# EAGLE board Mk4 Final a Panel score 2x5 (EAGLE 9.0.1), part 14 of 29 (continued)
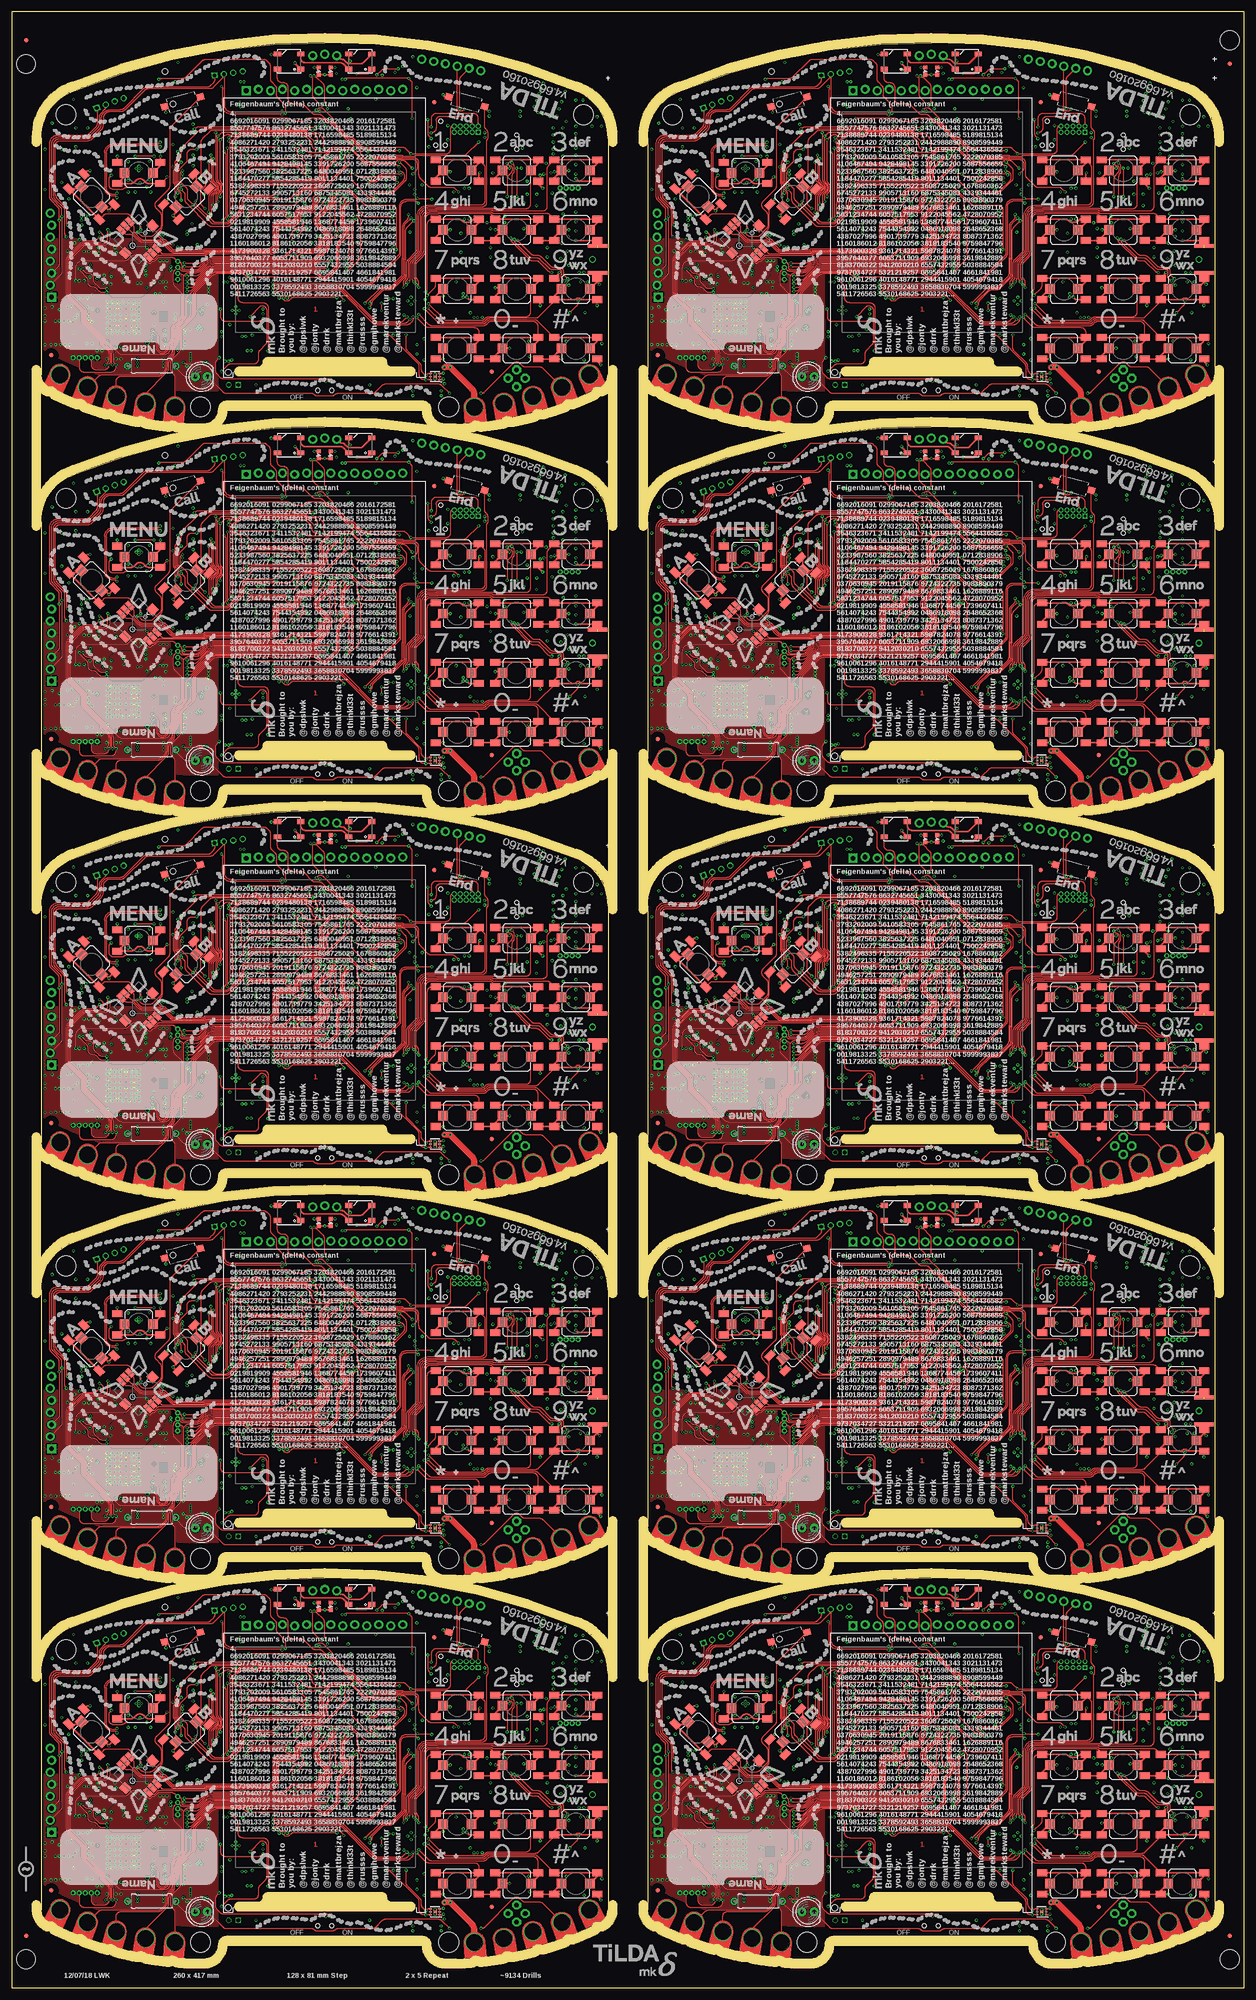
[diagram p0: board, top side]
## Tracks (layer width: path | path; a pad name or v marks a point on that pad's centre or on a via) (continued)
  pour Bottom (rank 6): 201.25,123.9 201.25,125.25 201,125.5 191,125.5 190.75,125.25 190.75,123.9
  pour Bottom (isolate 0.254, rank 6): 134.2,149.5 134.2,103 arc9 145,98 145,110 147,110 147,116 145,116 145,118 arc90 144,119 143,119 arc-90 142,120 142,140.71 arc-90 154.79,153.5 162.5,153.5 166,157 224.5,156.5 arc-90 227,154 227,119.5 238.09,119.5 arc-45 238.79,119.21 241.21,116.79 arc45 241.91,116.5 253.8,116.5 253.8,119.5 247.5,119.5 247.5,149.5 253.8,149.5 arc64 247.25,157.25 arc24 194,167.5 arc24 140.75,157.25 arc55
  pour Bottom (rank 2, no thermals): 235.5,120 237,120 237,117.5 236.41,117.5 arc45 235.71,117.21 235.29,116.79 arc45 235,116.09 235,114 arc-90 234,113 223.5,113 arc-90 222.5,114 arc-90 223.5,115 231.75,115 arc90 232.75,116 232.75,116.09 arc-45 233.04,116.79 233.71,117.46 arc-45 234.41,117.75 234.59,117.75 arc45 235.29,118.04 235.5,118.25
  pour Bottom (no thermals): 185.5,126.5 185.5,125.2 185.3,125 185.2,125 185,125.2 185,126.25 184.5,126.75 184.5,128.3 184.7,128.5 185.05,128.5 185.25,128.3 185.25,126.75
  pour Bottom: 157.55,135.95 157.55,141.95 arc90 156.55,142.95 153.05,142.95 arc90 152.05,141.95 152.05,135.95 arc90 153.05,134.95 156.55,134.95 arc90
  pour Bottom (no thermals): 171.4,114 171.4,115.1 171.2,115.3 171.2,116.05 171,116.25 169.75,116.25 169.25,115.75 169.25,114.25 169.5,114
  pour Bottom (no thermals): 165.9,101.8 165.9,99.3 arc-90 165.4,98.8 164.45,98.8 arc-90 163.95,99.3 163.95,106.65 arc-90 164.45,107.15 165.55,107.15 arc-90 166.05,106.65 166.05,103.1 arc90 166.55,102.6 167.8,102.6 167.85,102.55 167.85,101.9 167.75,101.8
  pour Top (rank 6): 134.2,126 134.2,103 arc34 171,94 171.5,94 171.5,126
GND4  (via drill 0.3)  (1 unrouted)
  Top 0.15: IC88.3 90.3,178.65 90.25,178.6 IC88.2 | v89.3,177.5 IC88.PAD v89.3,178.5
  Top 0.2: 90.3,178.65 90.95,178.65 v91.05,178.75
  Top 0.3: S91.1 101.95,194.95 S91.A1 | S87.A1 89.45,194.95 S87.1 v91,195 | S88.A1 89.45,182 89.7,181.75 v91,181.75 S88.1 | S96.1 114.45,182.45 S96.A1 | S95.1 123.55,198.05 S95.A1 | 114.45,219.5 114.45,219.95 S93.1 v117.5,221.5 | 114.45,219.5 S93.A1 | S89.A1 101.95,219.95 S89.1 104,222 v105,222 | S85.A1 89.45,219.95 S85.1 92.25,221.5 v92.5,221.25 | S86.A1 89.45,207.45 S86.1 v92.5,209 | 101.95,207 101.95,207.45 S90.1 v102.05,209 | 101.95,207 S90.A1 | S85.A2 98.55,220.8 v98.75,221 | 114.2,219.25 114.45,219.5 | S94.A2 v119,206.75 | v117.5,209 S94.1 114.45,207.45 S94.A1 S90.A2 | 98.5,194.3 S87.A2 96.5,194.25 v96,194.75 | S91.1 103,197 | S96.A2 123.5,181.75 123.5,181.25 v124.25,180.5 | S92.A2 S96.A1 | v105,184 S92.1 101.95,182.45 S92.A1 S88.A2 | S86.A2 101.7,206.75 101.95,207 | S101.1 91.49,237.01 v91,237.5 | LED27.C v66.03,241.75 LED28.C | LED25.3 55.95,246 v54.75,246 | S93.A2 119.91,219.25 arc-45 119.21,219.54 v119,219.75 | 21.61,214.39 S98.A1 20.5,213.26 v20.5,213 19.62,213.88 S98.1 | S98.A2 15.57,221.21 arc-45 16.28,221.5 v16.5,221.5 | S96.A1 v116,181.75 | S89.A2 111.05,218.7 v112,217.75 | S91.1 103.25,196.75 v102,196.75 | S91.A2 111.5,193.8 v111.5,193 | S99.A2 v22.25,224.5 | S99.1 31.35,222.55 S99.A1 v31.35,224.5 | S100.1 32.5,234.72 v32.5,233.75 | S97.A1 34.81,211.19 v34,212 34.68,212.68 S97.1 | v40.5,216.5 41.61,217.61 S97.A2 | LED26.3 71.05,245.36 arc45 71.34,244.66 v71.4,244.6 | S95.A2 115.5,199.8 v115.5,200 | S95.A1 123.55,197.95 v124,197.5 | S95.A1 123.53,198.76 J49.G@4
  Top 0.4: S94.A2 123.53,206.74 J49.G@3
  GND@3 0.4: v28.45,196.85 25.8,194.2 v25.8,193.85 | v23.5,199.5 22.75,198.75 22.75,194.6 v23.5,193.85 | v21,199.1 21.75,198.35 21.75,194.4 v22.3,193.85
  Bottom 0.15: J41.32 62.75,206.25 | J41.31 63.25,206 | J41.30 63.75,206 | J41.29 64.25,206 | J41.28 64.75,206 | J41.27 65.25,206 | J41.26 65.75,206 | J41.25 66.25,206 | J41.24 66.75,206 | J41.23 67.25,206 | J41.22 67.75,206 | J41.21 68.25,206 | J41.20 68.75,206 | J41.19 69.25,206 | J41.18 69.75,206 | J41.17 70.25,206 | J41.16 70.75,206 | J41.15 71.25,206 | J41.14 71.75,206 | J41.13 72.25,206 | J41.12 72.75,206 | J41.11 73.25,206 | IC74.58 v59.6,224.8 | IC74.55 v59.6,223.6 | IC77.3 81.05,242 v80.85,242.2 | ANT10.3 112.79,239.9 v112.15,239.9 | v111.7,238.75 111.8,238.65 111.94,238.65 111.84,238.75 v111.7,238.75 | ANT10.2 112.05,238.4 v111.7,238.75 | ANT10.4 116.28,238.2 v116.75,238.2 | IC83.PAD v24.1,191.1 | IC83.PAD v22.9,191.1 | IC83.PAD v22.9,189.9 | IC83.PAD v24.1,189.9 | v22.9,192.3 23.5,192.9 v23.5,193.85 | v22.3,193.85 22.3,192.9 v21.7,192.3 21.75,192.35 | v25.3,192.3 25.3,193.35 v25.8,193.85 | v81.5,186.75 C534.2 82,187.5 arc90 82.5,188 82.5,188.5 arc90 82,189 IC86.2 81.46,189 arc45 81.1,188.85 80.9,188.65 arc-45 80.54,188.5 IC86.4 | C536.2 90.45,178.5 | v107.25,234 C485.2 | C488.2 v107.25,233 | C486.2 v100.75,234 | C484.2 v100.75,233 | v24.55,223.4 24.25,223.7 R389.2
  Bottom 0.2: C447.1 68.6,211.85 IC74.10 | IC74.17 65.8,212.01 arc-45 65.65,211.65 C446.1 v65.5,210.75 | IC74.48 57.46,220.8 arc-45 C444.1 | IC74.114 74.74,220.4 arc45 75.44,220.69 C443.1 | IC74.80 65.8,230.05 65.97,230.22 | X20.4 13.88,189.43 13.7,189.6 v12.9,189.6 | X20.2 15.73,185.07 v15.8,185 | IC85.23 81.8,194.75 arc-45 81.66,194.81 81.25,195.22 arc-90 81.25,195.25 | 81.25,195.25 v81.25,195.5 | IC85.24 81.25,195.25 | IC85.18 83,191.25 v82.75,191 | IC85.9 v87.25,194.25 | IC78.17 46.5,189.5 v46,189 IC78.18 | J44.GND4 117,184.05 | 90.45,178.5 arc45 v91.05,178.75 | v31.3,225.5 C538.2 | IC80.4 87.97,225.72 C503.1
  Bottom 0.25: J41.50 53.75,205.45 v54.25,205.95 | J41.49 v54.25,205.95 | J41.48 54.75,205.45 v54.25,205.95 | J41.43 57.25,206 | J41.6 v75.75,203.5 | v68,208.75 68,209.62 C448.1 68.25,210.12 C447.1 | v56,221.1 C444.1 | v76.25,220.75 C443.1 | v66,231 C445.1 65.97,230.22 | C442.1 C450.1 v67,232.45 | v55,225.25 R321.2 | C449.1 65.05,232.25 v65.65,231.65 | v75.5,176.25 S103.1 | v51.5,176.25 S104.1 | C453.1 v62.7,231 | C452.1 v58.1,231 | v71.5,232.45 C451.1 | R383.2 v25.25,183.75 | v27.35,221.95 IC82.PAD v26.8,221.5 | C468.2 38.88,183.22 | v85.45,239 C439.1 | v68.5,242 C437.1
  Bottom 0.3: 77.45,242.3 v78.15,241.6 | v32,195 R382.2 | v14.25,198.25 C511.1 | v16.5,199 16.62,198.88 C516.2 | v96.5,211.25 C494.2 | v95.5,211.25 C491.2 | v96.5,217.75 C490.2 | C492.2 v95.5,217.75 | IC75.8 100.1,210.65 v100.25,210.5 | R356.2 v94.75,208.25 | R348.2 v94.75,202.25 | R355.2 v94.75,204.25 | IC75.13 102.1,216.65 v102.25,216.5 | IC75.21 110.9,216.65 v110.75,216.5 | Q19.2 94.65,198.15 R346.2 v93.75,198 | C503.1 v88,226.5 | v92,228 91.91,228.09 JP37.5 | C496.1 v99.75,229.5 | IC81.7 93.19,217.81 R367.1 v93.25,217 | v101.5,221 C481.1 | v105,222 104.5,221.5 C480.1 | C479.1 v107.5,222 | J44.GND3 111.21,194.06 arc-45 111.5,193.36 v111.5,193 | 123.38,196.5 J44.GND2 123.5,196.59 arc-45 123.79,197.29 v124,197.5 | 124.17,194 J44.C4 123.79,193.74 arc45 123.5,193.04 v123.5,193 | v124.5,185 124.38,185 J44.GND1 | v109.25,182.25 R371.2 110.92,182.25 Q18.2 | C482.1 v120.75,181.5 | J44.C5 116.85,185.65 v117,185.5 117,184.05 | v109,185.5 109.23,185.27 110.25,185.27 J44.GND6 | C436.1 v76.25,215 | C441.1 v79,218.25 | C440.1 v79,219.5 | Q17.4 Q17.EP2 | C462.1 v51.5,210.25 | IC73.28 37.07,210.25 v38,210.25 | C458.1 v34,222.25 | IC73.46 38.2,224.7 v38.25,224.75 | C461.1 v34,227 | IC73.54 37.89,231.1 arc45 v38.25,231.25 | IC73.52 v38.25,229.5 | C460.1 v50.75,231.75 | C456.1 v51.5,229.5 | IC73.6 47.4,227.1 v47.25,227.25 | C457.1 v51.5,224.75 | C459.1 v51.5,220.75 | R331.1 v53,191.25 | R333.2 v53,192.25 | R335.2 48.15,197.5 arc45 v48.75,197.75 | v32,208 C477.1 | v32.75,208 32.75,207.5 C477.1 | v31.25,208 31.25,207.5 C477.1 | IC73.12 47.3,222.3 v47.25,222.25 | R375.2 v15.25,204.45 | R376.2 v16.25,204.45 | R363.2 v85,216.5 | v26.05,216.95 C509.2 | v108.75,216.5 108.7,216.55 IC75.19 108.7,219.2 v108.75,219.25
  Bottom 0.3: R373.2 35.95,183.5 v36.2,183.75 | IC85.25 v83.5,194 | v66.6,234.55 66.67,234.55 X18.4 | X18.2 70.83,234.55 v70.95,234.55 | v82.5,243.5 C454.1 | v84.6,245.5 R325.2 | C438.1 v76.75,236.5 | C495.1 v83.9,218.45 | J46.8 J46.4 | J48.8 J48.4 | IC73.41 36.05,220.7 v36,220.75 | J44.GND5 117.11,196.91 v117.5,197.3 116.94,197.3 arc-45 116.23,197.59 IC79.3 | IC75.33 113.3,202.95 v113,203.25 | v117.45,207.6 C497.1 | v116.7,202.5 D10.2 | v116.7,203.5 C498.1 | v11.75,192.75 C501.1 | v8.5,192.75 C502.1 | 32.55,198.8 C519.2 31.95,198.8 | IC89.2 v90.6,175 | C539.2 v84.6,174 | IC89.3 v90.6,174 | v113,205.25 113.1,205.15 IC75.31
  Bottom 0.35: v32.55,198 32.55,198.8 | v31.95,198 31.95,198.8
  Bottom 0.4: C521.2 28.1,196.5 v28.45,196.85 | v31.25,195.5 C515.2 | v32,193.75 C527.2 | C517.2 28.12,201.62 v28.25,201.5 | C517.2 v27.25,202.75 | v26,202.75 C518.2 C517.2 | C522.2 22.9,198.9 v23.5,199.5 23.4,199.4 | C520.2 v21,199.1 | v19.5,199.4 20.1,198.8 C514.2 | v34.5,190.25 C532.1 | v34.5,191.25 C533.1 | v32.25,186.75 C528.2 | C524.2 v30,189 | C510.1 v21.75,205.25 | C530.1 v16.95,189.5 | C526.2 v16.25,190.25 | C512.2 v16.25,191.25 | C531.1 v16.95,185 | R374.2 v18,183.5 | R377.2 v19,183.5 | R384.2 v20,181.75 | C529.2 v23,181.75 | C523.2 v22,181.75 | v32.5,196.75 C525.2 31.4,197.64 arc45 v31.25,198 | IC84.4 15.12,210.16 arc45 v14.75,210 | v32.25,184.75 R341.2 | v79.5,194.5 C455.1 | v44.25,186.5 44.85,186.5 C475.2 44.85,187.5 v44.25,187.5 | S102.2 65.4,177 v66.25,177 | Q17.EP2 80.4,205.35 v80.5,205.25 | v80.5,209.25 IC76.4 | 42.75,196.75 C476.2 42.38,196.25 v41.5,196.25 | 42.62,197 v41.5,197 | C472.2 41.6,195.4 v41.5,195.5 | v41.25,193.25 41.25,192.32 C473.1 | 7,189.6 v7,189.75 ANT9.4 | ANT9.3 v7,184.75 | ANT9.2 8.25,185.7 v8.25,184.75 | C478.1 v32,181 | C478.1 31.5,181.75 v32,181.75 | C478.1 31.5,180.25 v32,180.25 | J47.4 34.94,239.81 v34.5,240.25 | C435.2 59.88,242.62 v59.75,242.75 | IC90.3 93.26,176.15 arc-45 92.56,176.44 C540.2 91.68,176.68 arc-45 v91.25,176.5 | TP93.TP 37.75,188.1 v37.6,187.95
  Bottom 0.5: v18.35,204.05 18.35,203.5 C513.2 17.35,203.5 v17.35,204.05
  Bottom 1: J42.1 87.05,182.8 C470.2 | C470.2 85.6,182.85 v85.5,182.75 | C470.2 v87,181.5 | v52.35,188 C471.2 50.65,186.85 v50.75,186.75
  other vias: 63.25,206.25 72.75,206.25 56.9,209.15 26.8,222.4 26.25,221.95 116.7,216.1 116.35,212.35 116,236 115.5,234.5 115,233 113.5,233 112,233.5 111,233.75 110.25,235 110.75,236.25 111.25,237.75 21.7,191.1 21.7,189.9 21.7,188.7 22.9,188.7 24.1,188.7 25.3,188.7 25.3,189.9 25.3,191.1 24.1,192.3 17,195.25 17,192.35 13,187.2 12.25,184.75 11.25,184.75 10.25,184.75 9.25,184.75 12,189.75 11,189.75 10,189.75 9.2,189.75 85,194 84.25,194.75 84.25,193.25 95.25,195.5 95.25,194.75 120,198 119,208.75 119,210.65 119,212.75 119,214.75 119,220.75 119,222.75 119,224.75 119,229.25 119,230.85 122.4,230.85 124.4,230.85 47.25,192 48,192 47.25,192.75 47.25,191.25 46.5,192 29.3,216.95 24.55,216.95 24.55,219.45 29.05,219.55 29.05,223.45 37.7,182.85 37.7,182.35 37.7,181.35 37.7,181.85 36.9,180.25 37.6,180.25 36.6,187.95 36.5,186.95 36.5,184.75 36.5,185.55 20.75,191.1 20.75,189.9 20.75,188.7 20.75,192.3 26.25,191.1 26.25,189.9 26.25,188.7 26.25,192.3 21.7,187.75 22.9,187.75 24.1,187.75 25.3,187.75 21.7,193.25 22.9,193.25 24.1,193.25 25.3,193.25 26.25,187.75 26.25,193.25 20.75,193.25 20.75,187.75 24.7,193.85 21.2,193.85 20.15,193.85 20.15,192.8 23.5,187.15 24.7,187.15 25.9,187.15 22.3,187.15 21.2,187.15 26.85,190.45 26.85,189.25 26.85,188.05 26.85,191.65 20.15,190.5 20.15,189.3 20.15,188.2 20.15,191.7 26.85,192.75 26.85,193.85 26.85,187.15 20.15,187.15 120.7,200 119.7,200 121.5,198 116,206.2 10.5,226 10.5,219 13.5,226.5 13.5,230.5 16,230.5 13,236.5 8.5,231.5 7,226 7,217.5 12,215.5 13.25,206.25 7,192.5 104,203.25 101,203.25 101,205.25 101,209.25 108,209.25 110.7,214.1 108,214.75 114,216.75 117.5,201.5 117.25,204.5 119,226.25 119,227.75 117,231.85 119,236.35 123.5,232.85 120.5,236.35 115.85,202.95 119,201.5 12.6,192.95 13.35,190.45 13.85,190.95 16,192.7 15,194.7 16,194.7 14.1,194.6 116.25,230.5 114.25,230.5 116.25,229 114.25,229 116.25,227.5 114.25,227.5 116.25,226 114.25,226 116.25,224.5 114.25,225 112.75,223 112.25,220.75 111.5,220.5 113.75,221 114.5,221.25 116,223 11.75,204.5 10,192.15 7,190.85 104,214.25 104,210.5 104,211.9
  pour GND@3 (isolate 0.254, rank 6): 6.2,230.5 6.2,177 arc31 38,168 40.7,168 arc90 43.5,170.8 arc-90 45.5,172.8 86.5,172.8 arc-90 88.5,170.8 arc90 91.3,168 94,168 arc31 125.8,177 125.8,200.5 119.5,200.5 119.5,230.5 125.8,230.5 arc64 119.25,238.25 arc24 66,248.5 arc24 12.75,238.25 arc55
  pour Bottom (rank 6): 73.25,204.9 73.25,206.25 73,206.5 63,206.5 62.75,206.25 62.75,204.9
  pour Bottom (isolate 0.254, rank 6): 6.2,230.5 6.2,184 arc9 17,179 17,191 19,191 19,197 17,197 17,199 arc90 16,200 15,200 arc-90 14,201 14,221.71 arc-90 26.79,234.5 34.5,234.5 38,238 96.5,237.5 arc-90 99,235 99,200.5 110.09,200.5 arc-45 110.79,200.21 113.21,197.79 arc45 113.91,197.5 125.8,197.5 125.8,200.5 119.5,200.5 119.5,230.5 125.8,230.5 arc64 119.25,238.25 arc24 66,248.5 arc24 12.75,238.25 arc55
  pour Bottom (rank 2, no thermals): 107.5,201 109,201 109,198.5 108.41,198.5 arc45 107.71,198.21 107.29,197.79 arc45 107,197.09 107,195 arc-90 106,194 95.5,194 arc-90 94.5,195 arc-90 95.5,196 103.75,196 arc90 104.75,197 104.75,197.09 arc-45 105.04,197.79 105.71,198.46 arc-45 106.41,198.75 106.59,198.75 arc45 107.29,199.04 107.5,199.25
  pour Bottom (no thermals): 57.5,207.5 57.5,206.2 57.3,206 57.2,206 57,206.2 57,207.25 56.5,207.75 56.5,209.3 56.7,209.5 57.05,209.5 57.25,209.3 57.25,207.75
  pour Bottom: 29.55,216.95 29.55,222.95 arc90 28.55,223.95 25.05,223.95 arc90 24.05,222.95 24.05,216.95 arc90 25.05,215.95 28.55,215.95 arc90
  pour Bottom (no thermals): 43.4,195 43.4,196.1 43.2,196.3 43.2,197.05 43,197.25 41.75,197.25 41.25,196.75 41.25,195.25 41.5,195
  pour Bottom (no thermals): 37.9,182.8 37.9,180.3 arc-90 37.4,179.8 36.45,179.8 arc-90 35.95,180.3 35.95,187.65 arc-90 36.45,188.15 37.55,188.15 arc-90 38.05,187.65 38.05,184.1 arc90 38.55,183.6 39.8,183.6 39.85,183.55 39.85,182.9 39.75,182.8
  pour Top (rank 6): 6.2,207 6.2,184 arc34 43,175 43.5,175 43.5,207
GND5  (via drill 0.3)  (1 unrouted)
  Top 0.15: IC106.3 218.3,178.65 218.25,178.6 IC106.2 | v217.3,177.5 IC106.PAD v217.3,178.5
  Top 0.2: 218.3,178.65 218.95,178.65 v219.05,178.75
  Top 0.3: S112.1 229.95,194.95 S112.A1 | S108.A1 217.45,194.95 S108.1 v219,195 | S109.A1 217.45,182 217.7,181.75 v219,181.75 S109.1 | S117.1 242.45,182.45 S117.A1 | S116.1 251.55,198.05 S116.A1 | 242.45,219.5 242.45,219.95 S114.1 v245.5,221.5 | 242.45,219.5 S114.A1 | S110.A1 229.95,219.95 S110.1 232,222 v233,222 | S106.A1 217.45,219.95 S106.1 220.25,221.5 v220.5,221.25 | S107.A1 217.45,207.45 S107.1 v220.5,209 | 229.95,207 229.95,207.45 S111.1 v230.05,209 | 229.95,207 S111.A1 | S106.A2 226.55,220.8 v226.75,221 | 242.2,219.25 242.45,219.5 | S115.A2 v247,206.75 | v245.5,209 S115.1 242.45,207.45 S115.A1 S111.A2 | 226.5,194.3 S108.A2 224.5,194.25 v224,194.75 | S112.1 231,197 | S117.A2 251.5,181.75 251.5,181.25 v252.25,180.5 | S113.A2 S117.A1 | v233,184 S113.1 229.95,182.45 S113.A1 S109.A2 | S107.A2 229.7,206.75 229.95,207 | S122.1 219.49,237.01 v219,237.5 | LED33.C v194.03,241.75 LED34.C | LED31.3 183.95,246 v182.75,246 | S114.A2 247.91,219.25 arc-45 247.21,219.54 v247,219.75 | 149.61,214.39 S119.A1 148.5,213.26 v148.5,213 147.62,213.88 S119.1 | S119.A2 143.57,221.21 arc-45 144.28,221.5 v144.5,221.5 | S117.A1 v244,181.75 | S110.A2 239.05,218.7 v240,217.75 | S112.1 231.25,196.75 v230,196.75 | S112.A2 239.5,193.8 v239.5,193 | S120.A2 v150.25,224.5 | S120.1 159.35,222.55 S120.A1 v159.35,224.5 | S121.1 160.5,234.72 v160.5,233.75 | S118.A1 162.81,211.19 v162,212 162.68,212.68 S118.1 | v168.5,216.5 169.61,217.61 S118.A2 | LED32.3 199.05,245.36 arc45 199.34,244.66 v199.4,244.6 | S116.A2 243.5,199.8 v243.5,200 | S116.A1 251.55,197.95 v252,197.5 | S116.A1 251.53,198.76 J59.G@4
  Top 0.4: S115.A2 251.53,206.74 J59.G@3
  GND@3 0.4: v156.45,196.85 153.8,194.2 v153.8,193.85 | v151.5,199.5 150.75,198.75 150.75,194.6 v151.5,193.85 | v149,199.1 149.75,198.35 149.75,194.4 v150.3,193.85
  Bottom 0.15: J51.32 190.75,206.25 | J51.31 191.25,206 | J51.30 191.75,206 | J51.29 192.25,206 | J51.28 192.75,206 | J51.27 193.25,206 | J51.26 193.75,206 | J51.25 194.25,206 | J51.24 194.75,206 | J51.23 195.25,206 | J51.22 195.75,206 | J51.21 196.25,206 | J51.20 196.75,206 | J51.19 197.25,206 | J51.18 197.75,206 | J51.17 198.25,206 | J51.16 198.75,206 | J51.15 199.25,206 | J51.14 199.75,206 | J51.13 200.25,206 | J51.12 200.75,206 | J51.11 201.25,206 | IC92.58 v187.6,224.8 | IC92.55 v187.6,223.6 | IC95.3 209.05,242 v208.85,242.2 | ANT12.3 240.79,239.9 v240.15,239.9 | v239.7,238.75 239.8,238.65 239.94,238.65 239.84,238.75 v239.7,238.75 | ANT12.2 240.05,238.4 v239.7,238.75 | ANT12.4 244.28,238.2 v244.75,238.2 | IC101.PAD v152.1,191.1 | IC101.PAD v150.9,191.1 | IC101.PAD v150.9,189.9 | IC101.PAD v152.1,189.9 | v150.9,192.3 151.5,192.9 v151.5,193.85 | v150.3,193.85 150.3,192.9 v149.7,192.3 149.75,192.35 | v153.3,192.3 153.3,193.35 v153.8,193.85 | v209.5,186.75 C642.2 210,187.5 arc90 210.5,188 210.5,188.5 arc90 210,189 IC104.2 209.46,189 arc45 209.1,188.85 208.9,188.65 arc-45 208.54,188.5 IC104.4 | C644.2 218.45,178.5 | v235.25,234 C593.2 | C596.2 v235.25,233 | C594.2 v228.75,234 | C592.2 v228.75,233 | v152.55,223.4 152.25,223.7 R467.2
  Bottom 0.2: C555.1 196.6,211.85 IC92.10 | IC92.17 193.8,212.01 arc-45 193.65,211.65 C554.1 v193.5,210.75 | IC92.48 185.46,220.8 arc-45 C552.1 | IC92.114 202.74,220.4 arc45 203.44,220.69 C551.1 | IC92.80 193.8,230.05 193.97,230.22 | X24.4 141.88,189.43 141.7,189.6 v140.9,189.6 | X24.2 143.72,185.07 v143.8,185 | IC103.23 209.8,194.75 arc-45 209.66,194.81 209.25,195.22 arc-90 209.25,195.25 | 209.25,195.25 v209.25,195.5 | IC103.24 209.25,195.25 | IC103.18 211,191.25 v210.75,191 | IC103.9 v215.25,194.25 | IC96.17 174.5,189.5 v174,189 IC96.18 | J54.GND4 245,184.05 | 218.45,178.5 arc45 v219.05,178.75 | v159.3,225.5 C646.2 | IC98.4 215.97,225.72 C611.1
  Bottom 0.25: J51.50 181.75,205.45 v182.25,205.95 | J51.49 v182.25,205.95 | J51.48 182.75,205.45 v182.25,205.95 | J51.43 185.25,206 | J51.6 v203.75,203.5 | v196,208.75 196,209.62 C556.1 196.25,210.12 C555.1 | v184,221.1 C552.1 | v204.25,220.75 C551.1 | v194,231 C553.1 193.97,230.22 | C550.1 C558.1 v195,232.45 | v183,225.25 R399.2 | C557.1 193.05,232.25 v193.65,231.65 | v203.5,176.25 S124.1 | v179.5,176.25 S125.1 | C561.1 v190.7,231 | C560.1 v186.1,231 | v199.5,232.45 C559.1 | R461.2 v153.25,183.75 | v155.35,221.95 IC100.PAD v154.8,221.5 | C576.2 166.88,183.22 | v213.45,239 C547.1 | v196.5,242 C545.1
  Bottom 0.3: 205.45,242.3 v206.15,241.6 | v160,195 R460.2 | v142.25,198.25 C619.1 | v144.5,199 144.62,198.88 C624.2 | v224.5,211.25 C602.2 | v223.5,211.25 C599.2 | v224.5,217.75 C598.2 | C600.2 v223.5,217.75 | IC93.8 228.1,210.65 v228.25,210.5 | R434.2 v222.75,208.25 | R426.2 v222.75,202.25 | R433.2 v222.75,204.25 | IC93.13 230.1,216.65 v230.25,216.5 | IC93.21 238.9,216.65 v238.75,216.5 | Q23.2 222.65,198.15 R424.2 v221.75,198 | C611.1 v216,226.5 | v220,228 219.91,228.09 JP46.5 | C604.1 v227.75,229.5 | IC99.7 221.19,217.81 R445.1 v221.25,217 | v229.5,221 C589.1 | v233,222 232.5,221.5 C588.1 | C587.1 v235.5,222 | J54.GND3 239.21,194.06 arc-45 239.5,193.36 v239.5,193 | 251.38,196.5 J54.GND2 251.5,196.59 arc-45 251.79,197.29 v252,197.5 | 252.17,194 J54.C4 251.79,193.74 arc45 251.5,193.04 v251.5,193 | v252.5,185 252.38,185 J54.GND1 | v237.25,182.25 R449.2 238.93,182.25 Q22.2 | C590.1 v248.75,181.5 | J54.C5 244.85,185.65 v245,185.5 245,184.05 | v237,185.5 237.23,185.27 238.25,185.27 J54.GND6 | C544.1 v204.25,215 | C549.1 v207,218.25 | C548.1 v207,219.5 | Q21.4 Q21.EP2 | C570.1 v179.5,210.25 | IC91.28 165.07,210.25 v166,210.25 | C566.1 v162,222.25 | IC91.46 166.2,224.7 v166.25,224.75 | C569.1 v162,227 | IC91.54 165.89,231.1 arc45 v166.25,231.25 | IC91.52 v166.25,229.5 | C568.1 v178.75,231.75 | C564.1 v179.5,229.5 | IC91.6 175.4,227.1 v175.25,227.25 | C565.1 v179.5,224.75 | C567.1 v179.5,220.75 | R409.1 v181,191.25 | R411.2 v181,192.25 | R413.2 176.15,197.5 arc45 v176.75,197.75 | v160,208 C585.1 | v160.75,208 160.75,207.5 C585.1 | v159.25,208 159.25,207.5 C585.1 | IC91.12 175.3,222.3 v175.25,222.25 | R453.2 v143.25,204.45 | R454.2 v144.25,204.45 | R441.2 v213,216.5
  Bottom 0.3: v154.05,216.95 C617.2 | v236.75,216.5 236.7,216.55 IC93.19 236.7,219.2 v236.75,219.25 | R451.2 163.95,183.5 v164.2,183.75 | IC103.25 v211.5,194 | v194.6,234.55 194.68,234.55 X22.4 | X22.2 198.82,234.55 v198.95,234.55 | v210.5,243.5 C562.1 | v212.6,245.5 R403.2 | C546.1 v204.75,236.5 | C603.1 v211.9,218.45 | J56.8 J56.4 | J58.8 J58.4 | IC91.41 164.05,220.7 v164,220.75 | J54.GND5 245.11,196.91 v245.5,197.3 244.94,197.3 arc-45 244.23,197.59 IC97.3 | IC93.33 241.3,202.95 v241,203.25 | v245.45,207.6 C605.1 | v244.7,202.5 D12.2 | v244.7,203.5 C606.1 | v139.75,192.75 C609.1 | v136.5,192.75 C610.1 | 160.55,198.8 C627.2 159.95,198.8 | IC107.2 v218.6,175 | C647.2 v212.6,174 | IC107.3 v218.6,174 | v241,205.25 241.1,205.15 IC93.31
  Bottom 0.35: v160.55,198 160.55,198.8 | v159.95,198 159.95,198.8
  Bottom 0.4: C629.2 156.1,196.5 v156.45,196.85 | v159.25,195.5 C623.2 | v160,193.75 C635.2 | C625.2 156.12,201.62 v156.25,201.5 | C625.2 v155.25,202.75 | v154,202.75 C626.2 C625.2 | C630.2 150.9,198.9 v151.5,199.5 151.4,199.4 | C628.2 v149,199.1 | v147.5,199.4 148.1,198.8 C622.2 | v162.5,190.25 C640.1 | v162.5,191.25 C641.1 | v160.25,186.75 C636.2 | C632.2 v158,189 | C618.1 v149.75,205.25 | C638.1 v144.95,189.5 | C634.2 v144.25,190.25 | C620.2 v144.25,191.25 | C639.1 v144.95,185 | R452.2 v146,183.5 | R455.2 v147,183.5 | R462.2 v148,181.75 | C637.2 v151,181.75 | C631.2 v150,181.75 | v160.5,196.75 C633.2 159.4,197.64 arc45 v159.25,198 | IC102.4 143.12,210.16 arc45 v142.75,210 | v160.25,184.75 R419.2 | v207.5,194.5 C563.1 | v172.25,186.5 172.85,186.5 C583.2 172.85,187.5 v172.25,187.5 | S123.2 193.4,177 v194.25,177 | Q21.EP2 208.4,205.35 v208.5,205.25 | v208.5,209.25 IC94.4 | 170.75,196.75 C584.2 170.38,196.25 v169.5,196.25 | 170.62,197 v169.5,197 | C580.2 169.6,195.4 v169.5,195.5 | v169.25,193.25 169.25,192.32 C581.1 | 135,189.6 v135,189.75 ANT11.4 | ANT11.3 v135,184.75 | ANT11.2 136.25,185.7 v136.25,184.75 | C586.1 v160,181 | C586.1 159.5,181.75 v160,181.75 | C586.1 159.5,180.25 v160,180.25 | J57.4 162.94,239.81 v162.5,240.25 | C543.2 187.88,242.62 v187.75,242.75 | IC108.3 221.26,176.15 arc-45 220.56,176.44 C648.2 219.68,176.68 arc-45 v219.25,176.5 | TP112.TP 165.75,188.1 v165.6,187.95
  Bottom 0.5: v146.35,204.05 146.35,203.5 C621.2 145.35,203.5 v145.35,204.05
  Bottom 1: J52.1 215.05,182.8 C578.2 | C578.2 213.6,182.85 v213.5,182.75 | C578.2 v215,181.5 | v180.35,188 C579.2 178.65,186.85 v178.75,186.75
  other vias: 191.25,206.25 200.75,206.25 184.9,209.15 154.8,222.4 154.25,221.95 244.7,216.1 244.35,212.35 244,236 243.5,234.5 243,233 241.5,233 240,233.5 239,233.75 238.25,235 238.75,236.25 239.25,237.75 149.7,191.1 149.7,189.9 149.7,188.7 150.9,188.7 152.1,188.7 153.3,188.7 153.3,189.9 153.3,191.1 152.1,192.3 145,195.25 145,192.35 141,187.2 140.25,184.75 139.25,184.75 138.25,184.75 137.25,184.75 140,189.75 139,189.75 138,189.75 137.2,189.75 213,194 212.25,194.75 212.25,193.25 223.25,195.5 223.25,194.75 248,198 247,208.75 247,210.65 247,212.75 247,214.75 247,220.75 247,222.75 247,224.75 247,229.25 247,230.85 250.4,230.85 252.4,230.85 175.25,192 176,192 175.25,192.75 175.25,191.25 174.5,192 157.3,216.95 152.55,216.95 152.55,219.45 157.05,219.55 157.05,223.45 165.7,182.85 165.7,182.35 165.7,181.35 165.7,181.85 164.9,180.25 165.6,180.25 164.6,187.95 164.5,186.95 164.5,184.75 164.5,185.55 148.75,191.1 148.75,189.9 148.75,188.7 148.75,192.3 154.25,191.1 154.25,189.9 154.25,188.7 154.25,192.3 149.7,187.75 150.9,187.75 152.1,187.75 153.3,187.75 149.7,193.25 150.9,193.25 152.1,193.25 153.3,193.25 154.25,187.75 154.25,193.25 148.75,193.25 148.75,187.75 152.7,193.85 149.2,193.85 148.15,193.85 148.15,192.8 151.5,187.15 152.7,187.15 153.9,187.15 150.3,187.15 149.2,187.15 154.85,190.45 154.85,189.25 154.85,188.05 154.85,191.65 148.15,190.5 148.15,189.3 148.15,188.2 148.15,191.7 154.85,192.75 154.85,193.85 154.85,187.15 148.15,187.15 248.7,200 247.7,200 249.5,198 244,206.2 138.5,226 138.5,219 141.5,226.5 141.5,230.5 144,230.5 141,236.5 136.5,231.5 135,226 135,217.5 140,215.5 141.25,206.25 135,192.5 232,203.25 229,203.25 229,205.25 229,209.25 236,209.25 238.7,214.1 236,214.75 242,216.75 245.5,201.5 245.25,204.5 247,226.25 247,227.75 245,231.85 247,236.35 251.5,232.85 248.5,236.35 243.85,202.95 247,201.5 140.6,192.95 141.35,190.45 141.85,190.95 144,192.7 143,194.7 144,194.7 142.1,194.6 244.25,230.5 242.25,230.5 244.25,229 242.25,229 244.25,227.5 242.25,227.5 244.25,226 242.25,226 244.25,224.5 242.25,225 240.75,223 240.25,220.75 239.5,220.5 241.75,221 242.5,221.25 244,223 139.75,204.5 138,192.15 135,190.85 232,214.25 232,210.5 232,211.9